# KiCad board TRS80_Model_I_Jap20_E1.kicad_pcb (continued)
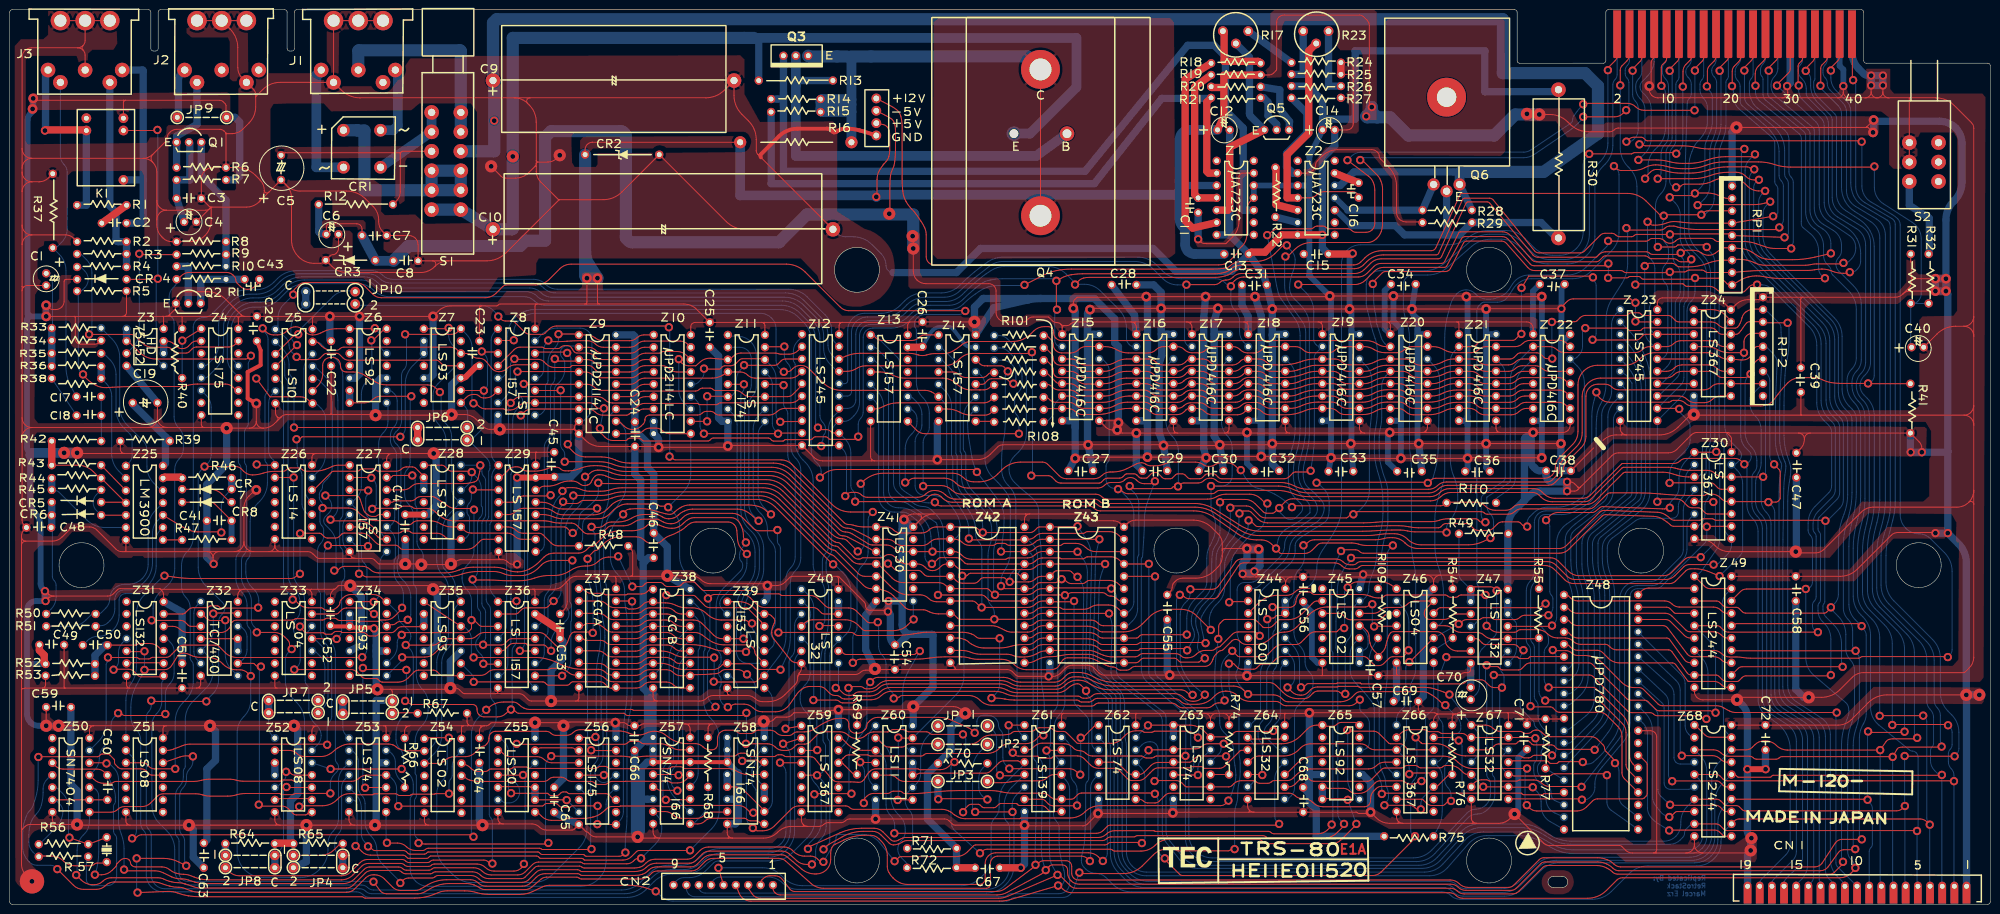
[diagram p0: board, top side]
## Routing (per net, layer and track width the routed paths; a pad name or vN(x,y) marks a point on that pad's centre or on a via; arc(x,y) is an arc through that point) (continued)
  Bottom w0.2: v2(330.96,168.45) 330.96,155.56 arc(331.37,153.48) 332.55,151.71 332.8,151.47 arc(333.97,149.71) 334.39,147.63 334.39,128.01 arc(334.35,127.8) 334.22,127.62 v2(334.06,127.45) ; v2(203.71,65.45) 203.71,66.45 arc(203.84,67.42) 204.22,68.32 204.66,69.04 arc(205.37,70.7) 205.61,72.48 205.61,82.22 arc(205.41,83.52) 204.82,84.7 arc(203.98,85.77) 203.06,86.77 202,87.83 arc(200.82,89.6) 200.4,91.68 200.4,106.89 arc(200.21,107.89) 199.64,108.73 199.01,109.36 arc(198.87,109.46) 198.69,109.49 Z14.13 ; v2(359.08,127.45) 359.1,127.43 arc(359.13,127.41) 359.16,127.4 360.16,127.4 arc(361.11,127.21) 361.91,126.67 369.75,118.83 arc(370.93,117.07) 371.35,114.99 371.35,103.14 arc(371.74,101.15) 372.87,99.46 373.81,98.52 arc(374.24,97.87) 374.39,97.1 374.39,86.03 arc(374.25,85.3) 373.83,84.67 371,81.85 arc(369.94,80.26) 369.57,78.38 369.57,76.97 arc(369.68,76.39) 370.01,75.9 arc(370.34,75.41) 370.46,74.83 370.46,66.25 arc(370.35,65.72) 370.05,65.27 369.84,65.06 arc(369.62,64.92) 369.36,64.87 v2(369.09,64.87) 369.09,50.74 arc(369.53,48.71) 370.78,47.06 377.29,41.5 arc(377.7,40.98) 377.89,40.34 377.93,39.9 arc(377.94,39.64) 377.95,39.39 arc(377.93,39.14) 377.86,38.9 377.19,37.04 arc(376.62,34.91) 376.43,32.71 376.43,9.25 arc(376.47,9.05) 376.58,8.88 v2(376.73,8.73) ; v2(216.15,66.87) 215.77,66.49 arc(215.49,66.07) 215.39,65.57 215.39,41.61 arc(215.19,40.61) 214.63,39.77 arc(214.06,38.93) 213.87,37.93 213.87,32.94 arc(213.77,32.45) 213.49,32.02 213.12,31.66 arc(213.1,31.65) 213.08,31.64 v2(213.05,31.64) 213.05,31.41 arc(213.1,31.2) 213.21,31.02 213.4,30.84 arc(213.65,30.46) 213.74,30.01 213.74,19.51 arc(213.72,17.16) 213.66,14.82 213.63,14.03 arc(213.62,12.34) 213.68,10.65 213.75,9.49 arc(213.83,8.97) 213.99,8.47 arc(214.22,7.98) 214.47,7.51 v2(215.31,6.04)
/A11: length 627.3
  Top w0.2: v2(374.24,61.08) 374.24,61.02 arc(374.23,60.96) 374.2,60.91 373.35,60.06 arc(373.16,59.93) 372.92,59.89 356.75,59.89 arc(356.37,59.96) 356.04,60.18 355.41,60.81 arc(355.11,61.01) 354.76,61.08 352.98,61.08 arc(352.47,61.18) 352.03,61.47 351.38,62.12 arc(351.1,62.31) 350.77,62.38 Z49.3 ; Z43.18 228.48,62.38 arc(228.03,62.47) 227.64,62.73 227.42,62.94 arc(226.92,63.28) 226.34,63.39 226.21,63.39 arc(225.74,63.48) 225.35,63.75 arc(224.95,64.01) 224.49,64.1 218.23,64.1 arc(217.88,64.03) 217.59,63.84 217.49,63.74 arc(217.3,63.61) 217.08,63.57 v2(216.84,63.57) 216.81,63.6 arc(216.78,63.61) 216.75,63.62 211.94,63.62 arc(211.49,63.53) 211.11,63.28 210.49,62.66 arc(210.18,62.45) 209.81,62.38 Z42.18 201.75,62.38 arc(201.42,62.44) 201.14,62.63 200.52,63.25 arc(200.11,63.52) 199.63,63.62 v2(190.75,63.62) ; v2(359.46,149.02) 359.45,149 arc(359.43,148.99) 359.42,148.99 358.47,148.99 arc(357.58,149.17) 356.82,149.67 356.72,149.78 arc(355.84,150.36) 354.81,150.56 353.18,150.56 arc(351.31,150.4) 349.5,149.9 arc(347.69,149.41) 345.83,149.24 v2(338.66,149.24) ; v2(379.27,7.49) 379.27,7.38 arc(379.25,7.29) 379.2,7.21 378.36,6.37 arc(377.34,5.69) 376.15,5.45 331.42,5.45 arc(330.78,5.33) 330.25,4.97 328.11,2.83 arc(326.34,1.65) 324.26,1.24 298.6,1.24 arc(297.85,1.39) 297.22,1.81 arc(296.58,2.23) 295.84,2.38 218.21,2.38 arc(217.25,2.57) 216.43,3.12 215.78,3.76 arc(215.69,3.83) 215.57,3.85 v2(215.44,3.85) 205.56,0.96 arc(204.51,0.73) 203.43,0.65 152.29,0.65 arc(150.83,1.11) 149.87,2.31 149.22,3.96
  Bottom w0.2: Z13.3 177.23,112.03 arc(177.52,111.97) 177.77,111.81 179.07,110.51 arc(180.2,108.82) 180.59,106.83 180.59,85.21 arc(180.77,84.3) 181.29,83.52 181.32,83.5 arc(182.06,83) 182.94,82.82 arc(183.85,82.69) 184.69,82.29 190.3,78.55 190.32,78.55 arc(190.46,78.36) 190.54,78.13 190.82,76.41 arc(191.05,74.43) 191.13,72.45 191.13,64.27 arc(191.08,64.02) 190.94,63.81 v2(190.75,63.62) ; v2(338.66,149.24) 339,149.59 arc(339.25,149.97) 339.34,150.41 339.34,154.39 arc(339.54,155.38) 340.1,156.23 arc(340.67,157.07) 340.87,158.07 340.87,168.28 arc(340.7,169.11) 340.23,169.82 arc(339.76,170.52) 339.6,171.35 339.6,171.86 arc(339.71,172.44) 340.04,172.93 arc(340.37,173.42) 340.49,174 J4.9 ; v2(215.44,3.85) 215.75,3.85 arc(216.03,3.91) 216.27,4.07 216.32,4.13 arc(216.55,4.43) 216.68,4.78 216.69,4.81 arc(216.76,5.23) 216.79,5.65 216.79,5.8 arc(216.75,6.36) 216.64,6.92 216.22,8.59 arc(215.79,10.83) 215.64,13.11 215.64,15.72 arc(215.5,16.47) 215.07,17.1 arc(214.65,17.73) 214.5,18.48 214.5,26.41 arc(214.72,27.49) 215.33,28.4 215.77,28.85 arc(215.93,29.23) 215.77,29.61 215.39,29.99 arc(214.83,30.84) 214.63,31.83 214.63,36.3 arc(214.92,37.75) 215.73,38.97 arc(216.55,40.19) 216.84,41.64 v2(216.84,63.57) ; v2(379.27,7.49) 379.12,7.64 arc(379.01,7.81) 378.97,8.01 378.97,8.22 arc(378.89,8.62) 378.66,8.96 378.33,9.29 arc(377.86,9.99) 377.7,10.82 377.7,32.86 arc(377.87,34.91) 378.39,36.91 arc(378.92,38.91) 379.09,40.97 379.09,48.16 arc(378.86,49.33) 378.2,50.31 arc(377.55,51.3) 377.31,52.46 377.31,55.5 arc(376.92,57.51) 375.78,59.21 374.36,60.63 arc(374.27,60.76) 374.24,60.92 v2(374.24,61.08) 375.02,61.86 arc(375.59,62.71) 375.79,63.73 375.79,73.67 arc(375.84,75.2) 375.98,76.73 arc(376.26,78.23) 376.73,79.68 376.93,80.22 arc(377.5,82.22) 377.7,84.3 377.7,98.89 arc(377.5,99.89) 376.93,100.73 376.36,101.3 arc(375.38,102.78) 375.03,104.52 375.03,116.13 arc(374.61,118.21) 373.44,119.98 359.99,133.43 arc(358.81,135.19) 358.39,137.27 358.39,147.45 arc(358.51,148.05) 358.85,148.56 359.25,148.96 arc(359.31,149) 359.38,149.02 v2(359.46,149.02)
/A12: length 534.5
  Top w0.2: v2(371.57,55.98) 353.19,55.98 arc(352.62,56.09) 352.14,56.41 351.48,57.07 arc(351.23,57.24) 350.93,57.3 Z49.5 ; v2(303.5,49.17) 303.64,49.03 arc(303.8,48.92) 303.98,48.89 305.69,48.89 arc(305.8,48.87) 305.9,48.8 306.29,48.41 arc(306.52,48.26) 306.79,48.2 310.06,48.2 arc(310.41,48.27) 310.7,48.47 311.43,49.19 arc(311.93,49.53) 312.53,49.65 324.51,49.65 arc(324.91,49.57) 325.25,49.35 332.29,42.3 arc(332.65,42.06) 333.07,41.98 335.96,41.98 arc(336.34,41.9) 336.66,41.69 338.24,40.11 arc(338.59,39.88) 338.99,39.8 349.42,39.8 arc(349.64,39.75) 349.82,39.63 350.01,39.44 arc(350.04,39.42) 350.07,39.41 v2(350.54,39.41) ; v2(356.46,155.37) 349.22,155.37 arc(347.86,155.45) 346.52,155.68 arc(345.17,155.92) 343.81,156 336.1,156 arc(335.9,156.04) 335.74,156.15 arc(335.57,156.27) 335.37,156.31 v2(334.9,156.31) ; v2(234.08,70.02) 234.07,70.01 arc(234.06,70) 234.04,70 Z43.21 228.9,70 arc(228.83,70.01) 228.77,70.05 228.09,70.73 arc(227.27,71.28) 226.31,71.47 221.49,71.47 arc(221.23,71.42) 221,71.27 arc(220.78,71.12) 220.51,71.06 216.18,71.06 arc(216.06,71.09) 215.96,71.15 arc(215.86,71.22) 215.75,71.24 212.26,71.24 arc(211.44,71.08) 210.75,70.62 210.7,70.56 arc(210.07,70.14) 209.33,70 Z42.21 196.79,70 arc(196.49,70.06) 196.24,70.22 195.59,70.87 arc(195.13,71.18) 194.58,71.29 191.22,71.29 arc(191.02,71.25) 190.85,71.14 189.82,70.1 arc(189.73,70.04) 189.62,70.02 v2(189.51,70.02)
  Bottom w0.2: Z42.21 208.53,69.81 arc(208.5,69.63) 208.4,69.48 207.77,68.85 arc(207.21,68.01) 207.01,67.01 207.01,36.91 arc(207.21,35.92) 207.77,35.07 Z61.2 ; J4.5 335.4,171.35 arc(335.24,170.52) 334.77,169.82 arc(334.3,169.11) 334.13,168.28 334.13,167.91 arc(334.37,166.74) 335.03,165.74 335.09,165.69 arc(335.79,164.64) 336.04,163.39 336.04,157.04 arc(335.98,156.76) 335.82,156.52 arc(335.58,156.36) 335.3,156.31 v2(334.9,156.31) ; Z13.6 177.73,103.59 arc(178.35,102.67) 178.56,101.59 178.56,83.92 arc(178.81,82.67) 179.51,81.62 arc(180.57,80.91) 181.81,80.66 183.44,80.66 arc(184.23,80.53) 184.92,80.14 186.32,79.02 arc(187.16,78.13) 187.7,77.04 arc(187.99,75.82) 188.09,74.58 188.09,71.5 arc(188.2,70.93) 188.52,70.45 188.75,70.22 arc(188.97,70.07) 189.23,70.02 v2(189.51,70.02) ; v2(350.54,39.41) 350.54,50.7 arc(350.13,52.78) 348.95,54.55 Z49.5 ; v2(356.46,155.37) 356.16,155.06 arc(355.93,154.72) 355.85,154.32 355.85,136.13 arc(356.27,134.05) 357.45,132.28 370.64,119.09 arc(371.82,117.32) 372.24,115.24 372.24,103.56 arc(372.61,101.65) 373.7,100.03 374.52,99.2 arc(374.99,98.5) 375.16,97.68 375.16,85.28 arc(374.98,84.42) 374.5,83.69 371.66,80.85 arc(370.86,79.66) 370.58,78.25 370.58,77.18 arc(370.67,76.76) 370.9,76.41 arc(371.14,76.06) 371.22,75.64 371.22,63.3 arc(371.12,62.8) 370.84,62.38 arc(370.56,61.95) 370.46,61.46 370.46,57.36 arc(370.56,56.83) 370.86,56.38 371.16,56.08 arc(371.28,56) 371.42,55.98 v2(371.57,55.98) ; v2(234.08,70.02) 234.08,47.56 arc(234.2,47.04) 234.52,46.6 242.08,40.05 arc(242.53,39.44) 242.69,38.7 242.69,32.85 arc(242.78,32.44) 243.01,32.09 arc(243.25,31.73) 243.33,31.32 243.33,28.68 arc(243.2,28.01) 242.82,27.45 arc(242.45,26.89) 242.31,26.22 242.31,14.31 arc(242.68,12.49) 243.71,10.94 arc(245.26,9.91) 247.08,9.54 288.45,9.54 arc(290.52,9.97) 292.25,11.17 299.44,18.75 arc(300.32,19.36) 301.37,19.58 arc(302.42,19.79) 303.32,20.39 303.4,20.47 arc(304.06,21.45) 304.29,22.61 304.29,24.88 arc(304.19,25.38) 303.91,25.8 arc(303.63,26.22) 303.53,26.72 303.53,45.18 arc(303.49,45.34) 303.4,45.49 arc(303.31,45.63) 303.27,45.79 303.27,48.78 arc(303.3,48.93) 303.39,49.05 v2(303.5,49.17)
/A13: length 583.7
  Top w0.2: Z61.3 209.26,31.77 arc(209.76,31.87) 210.18,32.15 arc(210.58,32.5) 211.03,32.81 211.07,32.84 arc(211.6,33.06) 212.17,33.14 214.21,33.14 arc(214.29,33.12) 214.36,33.08 arc(214.43,33.03) 214.51,33.01 216.7,33.01 arc(217.62,32.83) 218.41,32.3 218.59,32.12 arc(219.18,31.73) 219.87,31.59 arc(220.57,31.45) 221.15,31.06 221.17,31.05 arc(221.77,30.64) 222.49,30.5 232.55,30.5 arc(232.82,30.45) 233.04,30.3 arc(233.27,30.15) 233.53,30.09 234.71,30.09 arc(234.98,30.15) 235.2,30.3 arc(235.43,30.45) 235.69,30.5 241.56,30.5 arc(241.58,30.5) 241.59,30.51 v2(241.6,30.52) ; v2(184.02,86.76) 184.21,86.76 arc(184.39,86.8) 184.54,86.89 184.85,87.2 arc(185.34,87.53) 185.92,87.65 191.98,87.65 arc(193.31,87.38) 194.44,86.63 arc(195.56,85.88) 196.89,85.62 223.6,85.62 arc(224.35,85.77) 224.98,86.19 arc(225.61,86.61) 226.36,86.76 227.88,86.76 arc(228.54,86.89) 229.11,87.27 229.12,87.28 arc(229.67,87.65) 230.31,87.78 arc(230.96,87.65) 231.5,87.28 231.65,87.14 arc(232.35,86.67) 233.18,86.51 234.46,86.51 arc(234.79,86.57) 235.07,86.76 v2(235.33,87.01) ; v2(348.66,38.12) 348.37,38.12 arc(348.1,38.17) 347.87,38.33 347.75,38.45 arc(347.38,38.69) 346.95,38.78 338.6,38.78 arc(338.18,38.86) 337.83,39.1 arc(337.48,39.33) 337.06,39.41 333.38,39.41 arc(332.86,39.52) 332.41,39.82 325.39,46.84 arc(325.03,47.08) 324.61,47.16 v2(304.98,47.16) ; v2(380.57,156.86) 380.48,156.95 arc(380.38,157.02) 380.26,157.04 336.5,157.04 arc(336.33,157.07) 336.19,157.17 335.82,157.54 arc(335.56,157.72) 335.24,157.78 333.79,157.78 arc(333.19,157.66) 332.69,157.32 v2(332.23,156.86) ; v2(333.5,171.47) 333.5,171.65 arc(333.53,171.81) 333.63,171.95 335.05,173.37 arc(335.31,173.77) 335.4,174.23 J4.6 ; v2(398.27,50.84) 398.22,50.9 arc(398.16,50.93) 398.1,50.95 380.72,50.95 arc(380.51,50.9) 380.32,50.78 arc(380.14,50.66) 379.93,50.62 357.76,50.62 arc(357,50.65) 356.25,50.74 arc(355.5,50.84) 354.74,50.87 353.43,50.87 arc(352.55,51.04) 351.8,51.54 arc(351.06,52.04) 350.18,52.22 Z49.7
  Bottom w0.2: v2(304.98,47.16) 304.82,47.01 arc(304.71,46.84) 304.67,46.64 304.67,26.92 arc(304.74,26.59) 304.93,26.31 arc(305.11,26.03) 305.18,25.69 305.18,22.68 arc(304.87,21.1) 303.97,19.77 303.62,19.41 arc(302.67,18.78) 301.56,18.56 arc(300.45,18.33) 299.54,17.67 292.86,10.43 arc(291.15,9.21) 289.09,8.78 246.5,8.78 arc(244.63,9.15) 243.04,10.22 arc(241.98,11.81) 241.6,13.68 v2(241.6,30.52) 241.64,30.56 arc(241.67,30.6) 241.68,30.65 241.68,38.3 arc(241.54,38.94) 241.14,39.47 233.84,45.65 arc(232.88,46.91) 232.53,48.46 232.53,70.96 arc(232.57,71.13) 232.66,71.27 arc(232.76,71.41) 232.8,71.57 233.05,75.4 arc(233.14,77.24) 233.17,79.08 arc(233.32,80.89) 233.78,82.65 v2(235.33,87.01) ; v2(332.23,156.86) 332.74,156.86 arc(333.21,156.96) 333.61,157.22 333.94,157.56 arc(334.46,158.34) 334.64,159.25 334.64,163.8 arc(334.49,164.55) 334.07,165.18 arc(333.65,165.82) 333.5,166.56 v2(333.5,171.47) ; v2(380.57,156.86) 380.59,156.84 arc(380.61,156.81) 380.62,156.78 380.62,147.75 arc(381.12,145.85) 382.5,144.44 386.86,141.86 arc(387.45,141.46) 387.98,140.99 arc(388.36,140.43) 388.49,139.76 388.49,80.12 arc(388.79,78.63) 389.63,77.36 389.74,77.25 arc(390.89,76.49) 392.24,76.22 arc(393.59,75.95) 394.73,75.19 397.57,72.35 arc(398.74,70.59) 399.16,68.5 399.16,52.36 arc(399.04,51.78) 398.71,51.29 v2(398.27,50.84) ; v2(348.66,38.12) 348.83,38.28 arc(348.95,38.47) 348.99,38.68 348.99,47.45 arc(348.63,49.27) 347.6,50.82 Z49.7 ; Z13.10 184.91,101.87 arc(185.26,101.8) 185.56,101.6 185.86,101.3 arc(186.29,100.67) 186.43,99.92 186.43,99.27 arc(186.17,97.92) 185.4,96.78 185.23,96.6 arc(184.33,95.27) 184.02,93.69 v2(184.02,86.76)
/A14: length 346.9
  Top w0.2: Z44.12 261.91,59.62 arc(261.67,59.46) 261.39,59.4 260.49,59.4 arc(260.31,59.37) 260.16,59.27 259.84,58.95 arc(259.76,58.89) 259.66,58.87 258.81,58.87 arc(258.66,58.84) 258.53,58.76 v2(258.42,58.64) ; v2(376.65,48.84) 376.64,48.85 arc(376.63,48.86) 376.61,48.86 356,48.86 arc(355.58,48.78) 355.22,48.54 Z49.12 ; v2(358.49,151.17) 358.2,151.17 arc(357.93,151.23) 357.7,151.38 357.66,151.43 arc(357.37,151.62) 357.04,151.68 353.04,151.68 arc(351.05,151.52) 349.12,151.03 arc(347.19,150.55) 345.2,150.39 343.46,150.39 arc(342.02,150.48) 340.61,150.77 339.95,150.95 arc(339.21,151.1) 338.45,151.15 arc(337.75,151.01) 337.15,150.61 336.16,149.62 arc(336.09,149.51) 336.07,149.38 v2(336.07,149.24) ; v2(339.42,168.34) 339.41,168.36 arc(339.4,168.37) 339.39,168.39 339.39,172.08 arc(339.46,172.43) 339.66,172.73 340.21,173.27 arc(340.41,173.58) 340.49,173.95 J4.10 ; v2(373.12,78.89) 373.02,78.99 350.61,78.99 arc(350.41,79.03) 350.24,79.14 arc(350.07,79.25) 349.87,79.29 348.04,79.29 arc(347.84,79.25) 347.67,79.14 arc(347.5,79.03) 347.31,78.99 342.1,78.99 arc(341.64,79.08) 341.25,79.34 arc(340.89,79.67) 340.49,79.95 340.19,80.14 arc(339.44,80.49) 338.62,80.63 327.75,81.02 arc(327.2,80.93) 326.73,80.62 319.9,73.8 arc(319.21,73.33) 318.39,73.17 289.46,73.17 arc(288,73.46) 286.76,74.29 286.7,74.36 arc(285.53,75.13) 284.16,75.41 283.58,75.41 arc(283.01,75.37) 282.44,75.25 282.25,75.19 arc(281.49,75.03) 280.72,74.97 268.12,74.97 arc(267.37,74.83) 266.74,74.4 266.27,73.94 arc(266.15,73.86) 266.01,73.83 v2(265.86,73.83)
  Bottom w0.2: v2(358.49,151.17) 358.49,151.09 arc(358.48,151) 358.43,150.93 358,150.5 arc(357.63,149.95) 357.5,149.31 357.5,136.89 arc(357.92,134.81) 359.1,133.05 372.42,119.72 arc(373.6,117.96) 374.01,115.88 374.01,104.23 arc(374.38,102.4) 375.41,100.86 376.2,100.07 arc(376.65,99.39) 376.81,98.6 376.81,83.19 arc(376.62,82.26) 376.1,81.48 373.86,79.24 arc(373.58,79.05) 373.25,78.99 373.23,78.99 v2(373.12,78.89) 373,78.76 373,62.26 arc(372.95,62.02) 372.81,61.8 arc(372.67,61.59) 372.62,61.34 372.62,60.66 arc(372.79,59.78) 373.29,59.04 374.83,57.49 arc(376.01,55.73) 376.43,53.65 376.43,49.23 arc(376.46,49.08) 376.54,48.95 v2(376.65,48.84) ; v2(339.42,168.34) 339.82,167.94 arc(340.13,167.49) 340.23,166.96 340.23,159.63 arc(339.82,157.54) 338.64,155.78 338.08,155.22 arc(337.04,153.67) 336.68,151.83 336.68,150.28 arc(336.6,149.89) 336.37,149.55 v2(336.07,149.24) ; v2(258.42,58.64) 258.56,58.5 arc(258.66,58.35) 258.7,58.17 258.7,51.73 arc(258.48,50.65) 257.87,49.74 arc(257.26,48.83) 257.05,47.75 257.05,40.53 arc(256.77,39.12) 255.97,37.93 255.07,37.03 arc(254.87,36.9) 254.63,36.85 254.38,36.85 ; v2(265.86,73.83) 265.96,73.73 arc(266.04,73.62) 266.06,73.48 266.06,71.52 arc(265.78,70.11) 264.98,68.92 arc(264.18,67.72) 263.9,66.31 263.9,64.54 arc(263.74,63.71) 263.27,63.01 262.81,62.56 arc(262.61,62.42) 262.38,62.38 arc(262.2,62.3) 262.13,62.12
  Bottom w1.5: 262.13,62.12 Z44.12
/A15: length 338.5
  Top w0.2: v2(358.65,154.25) 358.4,154.01 arc(358.14,153.83) 357.82,153.77 352.61,153.77 arc(350.68,153.59) 348.8,153.08 arc(346.93,152.57) 345,152.39 343.77,152.39 arc(342.4,152.48) 341.06,152.75 arc(339.71,153.02) 338.34,153.1 v2(334.69,153.1) ; v2(257.4,26.59) 257.35,26.64 arc(257.29,26.68) 257.23,26.69 254.38,26.69 ; v2(374.24,47.14) 374.17,47.06 arc(374.08,47) 373.98,46.98 356.81,46.98 arc(356.39,46.9) 356.04,46.67 355.38,46 arc(355.17,45.86) 354.92,45.82 352.97,45.82 arc(352.37,45.93) 351.86,46.27 351.2,46.93 arc(350.98,47.08) 350.71,47.14 Z49.9 345.93,47.14 ; v2(303.5,57.27) 303.55,57.27 arc(303.6,57.26) 303.64,57.23 304.26,56.61 arc(305,56.12) 305.86,55.95 309.2,55.95 arc(309.54,56.02) 309.84,56.22 arc(310.14,56.41) 310.48,56.48 313.96,56.48 arc(315.07,56.26) 316.01,55.63 arc(316.95,55) 318.07,54.78 319.66,54.78 arc(320.53,54.61) 321.26,54.12 arc(321.99,53.63) 322.85,53.46 327.94,53.46 arc(328.29,53.39) 328.59,53.19 328.88,52.9 arc(329.5,52.48) 330.24,52.34 340.84,52.34 arc(341.25,52.23) 341.58,51.96 344.69,47.61 arc(345.1,47.26) 345.62,47.14 345.93,47.14 ; 345.93,47.14 345.67,47.14 ; v2(259.51,61.13) 259.54,61.11 arc(259.56,61.09) 259.6,61.08 263.05,61.08 arc(263.53,61.18) 263.94,61.45 264.02,61.53 arc(264.24,61.85) 264.31,62.22 arc(264.35,62.62) 264.48,63 264.69,63.44 arc(265.21,64.04) 265.97,64.26 266.93,64.26 arc(267.28,64.19) 267.57,63.99 arc(267.87,63.79) 268.21,63.72 277.61,63.72 arc(278.62,63.63) 279.6,63.37 279.86,63.27 arc(280.58,63.08) 281.32,63.01 281.63,63.01 arc(282.03,63.09) 282.37,63.32 arc(282.71,63.54) 283.11,63.62 294.96,63.62 arc(295.27,63.56) 295.54,63.38 arc(295.81,63.2) 296.12,63.14 297.12,63.14 arc(297.43,63.2) 297.7,63.38 arc(297.97,63.56) 298.28,63.62 v2(303.27,63.62)
  Bottom w0.2: v2(257.4,26.59) 257.4,32.45 arc(257.29,33.02) 256.97,33.5 arc(256.65,33.97) 256.54,34.54 256.54,35.59 arc(256.77,36.75) 257.43,37.74 arc(258.08,38.72) 258.32,39.88 258.32,47.63 arc(258.48,48.46) 258.95,49.17 arc(259.42,49.87) 259.59,50.7 259.59,55.67 arc(259.65,56) 259.84,56.28 arc(260.03,56.56) 260.09,56.89 260.09,60.13 arc(260.02,60.52) 259.8,60.84 v2(259.51,61.13) ; v2(374.24,47.14) 374.24,54.56 arc(373.9,56.29) 372.92,57.75 372.54,58.13 arc(371.85,59.18) 371.6,60.41 371.6,61.38 arc(371.67,61.71) 371.85,62 arc(372.04,62.28) 372.11,62.61 372.11,75.99 arc(372.04,76.32) 371.85,76.6 arc(371.67,76.88) 371.6,77.21 371.6,79.07 arc(371.66,79.37) 371.83,79.62 375.48,83.28 arc(375.9,83.9) 376.05,84.63 376.05,98.1 arc(375.89,98.89) 375.44,99.56 374.65,100.35 arc(373.61,101.9) 373.25,103.72 373.25,115.37 arc(372.84,117.45) 371.66,119.21 358.21,132.66 arc(357.03,134.43) 356.61,136.51 356.61,150.91 arc(356.87,152.19) 357.59,153.27 358.54,154.22 arc(358.57,154.24) 358.61,154.25 v2(358.65,154.25) ; v2(334.69,153.1) 336,154.41 arc(336.97,155.86) 337.31,157.57 337.31,163.59 arc(337.01,165.08) 336.17,166.35 335.49,167.03 arc(335.14,167.54) 335.02,168.15 arc(335.14,168.75) 335.49,169.27 336.48,170.26 arc(337.57,171.88) 337.94,173.79 J4.7 ; v2(303.5,57.27) 303.5,63.23 arc(303.47,63.38) 303.39,63.51 v2(303.27,63.62)
/Address Decoder/~{CS1}: length 112.5
  Top w0.2: v2(145.64,7.49) CN2.5 ; 185.54,26.56 186.07,26.56 arc(186.34,26.61) 186.56,26.77 arc(186.79,26.92) 187.05,26.97 200.47,26.97 arc(201.11,27.1) 201.66,27.46 203.31,29.11 arc(203.75,29.4) 204.27,29.51 207.12,29.51 arc(207.3,29.47) 207.45,29.37 arc(207.61,29.27) 207.79,29.23 Z61.4
  Bottom w0.2: Z61.4 208.53,29.04 arc(208.5,28.86) 208.4,28.71 204.92,25.23 arc(203.74,23.47) 203.32,21.39 203.32,19.86 arc(203.11,18.78) 202.5,17.86 arc(201.89,16.95) 201.67,15.87 201.67,9.89 arc(201.26,7.81) 200.08,6.05 199.46,5.42 arc(197.69,4.24) 195.61,3.83 162.91,3.83 arc(160.82,4.24) 159.06,5.42 158.56,5.92 arc(156.8,7.1) 154.72,7.51 145.68,7.51 arc(145.67,7.51) 145.65,7.5 v2(145.64,7.49)
  Bottom w1.5: 185.54,29.1 185.54,26.56
/Address Decoder/~{CS2}: length 102.7
  Top w0.2: v2(203.48,26.54) 203.53,26.49 arc(203.58,26.45) 203.65,26.44 207.74,26.44 arc(207.91,26.47) 208.05,26.56 208.05,26.56 arc(208.19,26.66) 208.35,26.69 Z61.5
  Bottom w0.2: Z61.5 205.93,24.09 arc(204.76,22.33) 204.34,20.24 204.34,18.35 arc(204.49,17.61) 204.91,16.97 arc(205.34,16.34) 205.48,15.59 205.48,7.84 arc(205.12,6.01) 204.09,4.46 arc(202.54,3.43) 200.71,3.07 161.94,3.07 arc(160.28,3.4) 158.88,4.34 arc(157.47,5.28) 155.81,5.61 146.09,5.61 arc(145.35,5.46) 144.71,5.04 144.32,4.64 arc(144.19,4.44) 144.14,4.21 CN2.6 ; v2(203.48,26.54) 203.15,26.87 arc(202.9,27.23) 202.82,27.66 202.82,33.87 arc(202.6,34.98) 201.97,35.92 201.2,36.69 arc(201.11,36.75) 201.02,36.77 200.91,36.77
/Address Decoder/~{CS3}: length 109.1
  Top w0.2: v2(198.4,18.99) v2(206.07,18.99)
  Bottom w0.2: JP2.1 199.39,31.39 arc(198.26,29.7) 197.86,27.71 197.86,19.9 arc(197.93,19.55) 198.13,19.26 v2(198.4,18.99) ; Z61.6 206.89,22.51 arc(206.23,21.51) 205.99,20.34 205.99,19.12 arc(206,19.07) 206.03,19.03 v2(206.07,18.99) 206.22,18.84 arc(206.33,18.67) 206.37,18.47 206.37,7.99 arc(205.96,5.91) 204.78,4.14 204.54,3.9 arc(202.77,2.72) 200.69,2.31 142.9,2.31 arc(142.41,2.4) 141.98,2.69 141.92,2.75 arc(141.68,3.1) 141.6,3.51 CN2.7
/Address Decoder/~{CS4}: length 120.4
  Top w0.2: Z61.12 214.73,26.69 arc(213.88,26.52) 213.17,26.04 arc(212.45,25.56) 211.6,25.39 207.73,25.39 arc(206.76,25.34) 205.8,25.2 arc(204.84,25.05) 203.88,25.01 201.26,25.01 arc(201.13,25.03) 201.01,25.11 200.91,25.21
  Bottom w0.2: 139.06,3.96 139.06,3.26 arc(139.19,2.61) 139.56,2.07 139.57,2.05 arc(140.13,1.68) 140.8,1.54 204.27,1.54 arc(204.69,1.63) 205.04,1.86 arc(205.39,2.1) 205.81,2.18 215.63,2.18 arc(216.46,2.34) 217.17,2.81 arc(217.64,3.52) 217.8,4.35 217.8,23.62 arc(217.59,24.7) 216.98,25.61 216.24,26.35 arc(216.18,26.44) 216.15,26.56 Z61.12
/Address Decoder/~{KYBD}: length 317.8
  Top w0.2: v2(288.9,34.33) 290.01,33.23 arc(290.02,33.22) 290.03,33.22 arc(290.04,33.21) 290.05,33.21 290.13,33.13 arc(290.23,33.06) 290.34,33.04 293.06,33.04 arc(294.71,32.71) 296.1,31.78 arc(297.49,30.85) 299.13,30.52 310.25,30.52 arc(310.52,30.47) 310.74,30.32 arc(310.97,30.17) 311.23,30.12 312.14,30.12 arc(312.49,30.19) 312.79,30.38 arc(313.08,30.58) 313.43,30.65 316.9,30.65 arc(316.91,30.65) 316.93,30.64 v2(316.94,30.63) ; v2(317.09,52.29) 317.16,52.23 arc(317.23,52.18) 317.31,52.17 319.79,52.17 arc(320.44,52.04) 320.99,51.67 arc(321.54,51.3) 322.19,51.17 323.61,51.17 arc(325.57,50.78) 327.23,49.67 331.26,45.64 arc(332.45,44.85) 333.84,44.57 334.81,44.57 arc(335.31,44.47) 335.74,44.18 338.7,41.22 arc(339.13,40.94) 339.64,40.84 350.78,40.84 arc(351.5,40.73) 352.18,40.44 352.23,40.41 arc(352.83,40.05) 353.45,39.74 arc(354.09,39.52) 354.77,39.44 v2(375.44,39.44) ; v2(174.78,29.23) 174.81,29.19 arc(174.86,29.16) 174.91,29.15 177.84,29.15 arc(177.87,29.15) 177.9,29.13 Z60.4 ; v2(288.8,14.01) 288.8,13.81 arc(288.76,13.62) 288.65,13.46 281.82,6.63 arc(281.02,6.1) 280.08,5.91 241.06,5.91 arc(240.69,5.98) 240.38,6.19 237.44,9.13 arc(237.38,9.22) 237.36,9.33 v2(237.36,9.44) ; v2(175.51,20.82) 175.51,21.22 arc(175.58,21.58) 175.79,21.89 176.11,22.21 arc(176.77,22.65) 177.55,22.8 180.45,22.8 arc(180.75,22.86) 181,23.03 arc(181.25,23.2) 181.55,23.26 182.85,23.26 arc(183.18,23.19) 183.46,23.01 arc(183.74,22.82) 184.08,22.75 185.14,22.75 arc(186.56,22.79) 187.98,22.9 190.45,23.15 arc(192.79,23.33) 195.13,23.39 201.52,23.39 arc(202.68,23.32) 203.83,23.12 arc(204.98,22.92) 206.15,22.85 212.17,22.85 arc(212.99,22.69) 213.68,22.23 arc(214.36,21.77) 215.18,21.61 Z61.10 218.1,21.61 arc(218.48,21.68) 218.81,21.9 219.44,22.54 arc(219.82,22.79) 220.27,22.88 235.07,22.88 arc(235.17,22.86) 235.25,22.8 v2(235.33,22.73)
  Bottom w0.2: v2(175.51,20.82) 175.58,20.89 arc(175.62,20.96) 175.64,21.04 175.64,27.35 arc(175.53,27.91) 175.21,28.39 174.92,28.68 arc(174.81,28.84) 174.78,29.03 v2(174.78,29.23) ; v2(375.44,39.44) 375.36,39.36 arc(375.3,39.28) 375.28,39.18 375.28,8.5 arc(375.37,8.08) 375.61,7.72 CN1.10 ; v2(288.9,34.33) 289.04,34.19 arc(289.14,34.04) 289.18,33.86 289.18,27.08 arc(289.01,26.25) 288.54,25.55 arc(288.07,24.84) 287.91,24.01 287.91,15.06 arc(287.99,14.66) 288.21,14.32 288.42,14.11 arc(288.53,14.04) 288.66,14.01 v2(288.8,14.01) ; v2(316.94,30.63) 317.03,30.63 arc(317.11,30.64) 317.18,30.69 317.43,30.94 arc(317.67,31.3) 317.75,31.71 317.75,51.16 arc(317.67,51.6) 317.42,51.96 v2(317.09,52.29) ; v2(237.36,9.44) 237.28,9.44 arc(237.21,9.46) 237.15,9.5 236.59,10.06 arc(236.13,10.75) 235.96,11.57 235.96,21.41 arc(235.88,21.83) 235.65,22.18 235.41,22.42 arc(235.35,22.51) 235.33,22.61 v2(235.33,22.73)
